# Altium PCB ASCII_LimeSDR-USB_1v4s.PcbDoc (part 10 of 10)
Units mm, origin at the board's own origin, x right, y up, seen from the top; angles counter-clockwise.
Board outline 100 x 60 mm, 12 copper layers (Top, L2, L3, L4, L5, L6, L7, L8, L9, L10, L11, Bottom), stack 1.58 mm thick; 858 components, 627 nets, 4058 pads, 2110 vias.
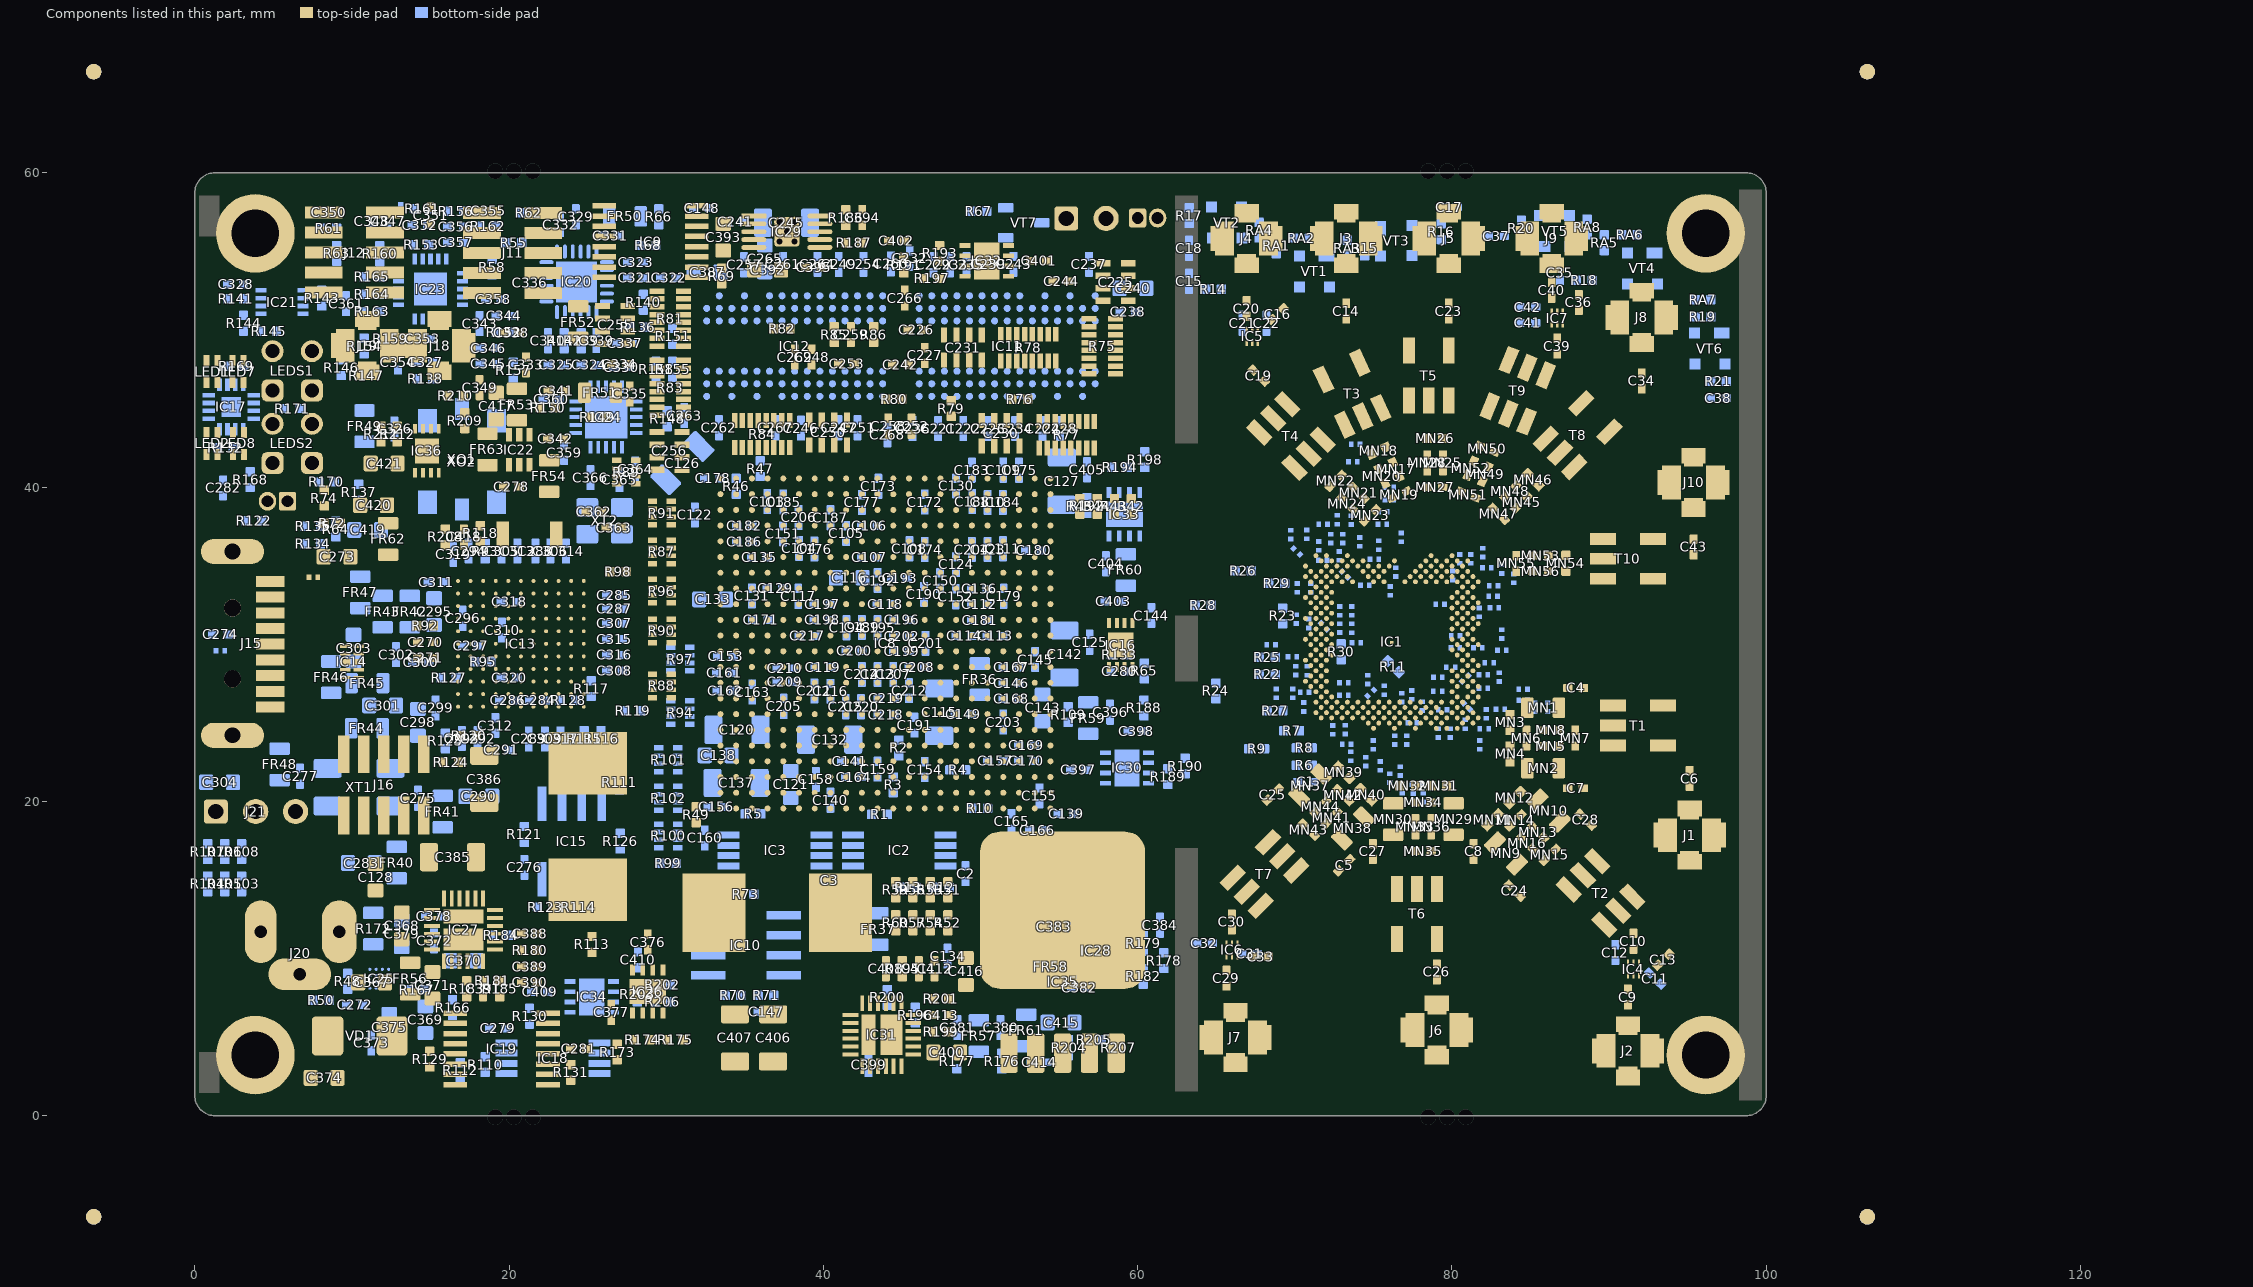
[diagram p18: the components of this part, seen from the top]

## Silkscreen, mask and mechanical layers (free items; w line width, h text height) (continued)
Mechanical1:
  drawing of 2388 lines, arcs and shapes, not listed
  text "LimeSDR-USB v1.4s" at 163.318,127.747 h2.6
  text "CONTROLLED IMPEDANCE" at 153.275,122.725 h3
  text "GENERAL PARAMETERS:" at 130.225,117.025 h1.5
  text "Top layer copper foil thickness: 17.5 um / Dielectric thickness from Top to L2 = 173um (6.8 mils) / Dielectric between Top layer and 2nd layer relative permittivity (Er): 4.2 /  / Bottom layer copper foil thickness: 17.5 um / Dielectric thickness from L11 to Bottom = 173um (6.8 mils) / Dielectric between L11 layer and Bottom layer relative permittivity (Er): 4.2 / Ground plane distance to trace on Bottom layer: 0.1mm" at 134.675,90.3 h1.5
  text "CALCULATIONS:" at 130.35,89.05 h1.5
  text "Board Cutout" at 41.525,78.4 h1.5
  text "RF (Top)" at 114.5,71.6 h2
  text "50 Ohm microstrip (Top layer, no GND) characteristics: /  Top layer copper foil thickness: 17.5 um /  Track width = 0.325 mm (12.795 mils) /  Dielectric thickness from Top to L2 = 173um (6.8 mils) /  Dielectric between Top layer and 2nd layer relative permittivity (Er): 4.2 /          /  Approximate microstrip line impedance = 49.99 Ohms (+/- 10% tolerance)" at 133.85,62.9 h1.5
  text "RF (Top)" at 113.5,45.1 h2
  text "100 Ohm coupled microstrip line (Top layer) characteristics: /  Top layer copper foil thickness: 17.5 um /  Track width = 0.2 mm (6.8 mils) /  Track spacing = 0.14 mm (5.51 mils) /  Track width/spacing ratio = 1.428 /  Dielectric thickness from top to L2 = 173um (6.8 mils) /  Dielectric between Top layer and 2nd layer relative permittivity (Er): 4.2 /          /  Approximate coupled microstrip line impedance = 100.752 Ohms (+/- 10% tolerance)" at 134.5,34.175 h1.5
  text "RF (Bottom)" at 111.575,20.975 h2
  text "Vendor Logo (bottom)" at 52.325,15.325 h0.7
  text "50 Ohm coplanar waveguide with GND (Bottom layer) characteristics: /  Bottom layer copper foil thickness: 17.5 um /  Track width = 0.254 mm (10 mils) /  Distance to GND: 0.1 mm (3.937 mils) /  Dielectric thickness from Bottom to L11 = 173um (6.8 mils) /  Dielectric between Bottom layer and L11 relative permittivity (Er): 4.2 /          /  Approximate microstrip line impedance = 49.99 Ohms (+/- 10% tolerance)" at 134.65,7.075 h1.5
  text "RoHS and PCB number (bottom)" at 28.475,3.45 h0.7
  text "USB3.0 (Top)" at 110.75,-4.575 h2
  text "TH via" at 34.75,-12.275 h1.52
  text "GERBER LAYER NAMES:" at -91.65,-13.675 h1.52
  text "STACKUP:" at -38.6,-14 h3
  text "Top-Bot" at 34.2,-15.35 h1.52
  text "GTP" at -90.55,-17.475 h1.52
  text "Top solder paste" at -85.45,-17.575 h1
  text "90 Ohm coupled microstrip line (Top layer, without GND) characteristics: /  Top layer copper foil thickness: 17.5 um /  Track width = 0.2 mm (6.8 mils) /  Track spacing = 0.1 mm (3.93 mils) /  Track width/spacing ratio = 2 /  Dielectric thickness from Top to 2nd layer = 173um (6.8 mils) /  Dielectric between Top layer and 2nd layer relative permittivity (Er): 4.2 /          /  Approximate coupled microstrip line impedance = 90.5 Ohms (+/- 10% tolerance)" at 133.825,-18.475 h1.5
  text "GTO" at -90.55,-20.475 h1.52
  text "Silkscreen" at -85.55,-20.775 h1
  text "ELECTRICAL LAYERS:" at 48.75,-21.775 h1.52
  text "GTS" at -90.55,-22.975 h1.52
  text "Soldermask (halogen free)" at -85.55,-24.275 h1
  text "Top: RF/GND" at 49.425,-25.25 h1.52
  text "GTL" at -90.55,-25.475 h1.52
  text "0.5oz+plating" at -85.55,-25.975 h1
  text "6.8mil" at -59.9,-28.15 h1
  text "PP" at -63.25,-28.275 h1
  text "G1" at -90.55,-29.975 h1.52
  text "0.1oz" at -85.55,-30.175 h1
  text "L2: GND" at 49.45,-30.275 h1.52
  text "CORE" at -63.25,-32.775 h1
  text "USB3.0 (Bottom)" at 104.45,-32.925 h2
  text "G2" at -90.55,-34.475 h1.52
  text "0.1oz" at -85.55,-34.675 h1
  text "L3: PWR/Signal/GND" at 49.45,-34.775 h1.52
  text "PP" at -63.25,-37.275 h1
  text "G3" at -90.55,-38.975 h1.52
  text "0.1oz" at -85.55,-39.175 h1
  text "L4: Signal/PWR/GND" at 49.45,-39.275 h1.52
  text "CORE" at -63.25,-41.775 h1
  text "G4" at -90.55,-43.475 h1.52
  text "0.1oz" at -85.55,-43.675 h1
  text "L5: PWR/GND" at 49.55,-43.775 h1.52
  text "PP" at -63.25,-46.275 h1
  text "90 Ohm coupled microstrip line (Bottom layer) characteristics: /  Bottom layer copper foil thickness: 17.5 um /  Track width = 0.2 mm (6.8 mils) /  Track spacing = 0.1 mm (3.93 mils) /  Track width/spacing ratio = 2 /  Dielectric thickness from L11 to Bottom layer = 173um (6.8 mils) /  Dielectric between L11 layer and Bottom layer relative permittivity (Er): 4.2 /          /  Approximate coupled microstrip line impedance = 90.5 Ohms (+/- 10% tolerance)" at 133.15,-46.825 h1.5
  text "G5" at -90.55,-47.975 h1.52
  text "L6: Signal/GND" at 49.45,-48.125 h1.52
  text "0.1oz" at -85.55,-48.175 h1
  text "CORE" at -63.25,-50.775 h1
  text "G6" at -90.55,-52.475 h1.52
  text "L7: GND" at 49.55,-52.625 h1.52
  text "0.1oz" at -85.55,-52.675 h1
  text "VERY IMPORTANT NOTES:" at 135.875,-54.75 h3
  text "PP" at -63.25,-55.275 h1
  text "G7" at -90.55,-56.975 h1.52
  text "L8: Signal" at 49.375,-57.1 h1.52
  text "0.1oz" at -85.55,-57.175 h1
  text "CORE" at -63.25,-59.775 h1
  text "G8" at -90.55,-61.475 h1.52
  text "0.1oz" at -85.55,-61.675 h1
  text "L9: Signal" at 49.475,-61.675 h1.52
  text "PP" at -63.25,-64.275 h1
  text "G9" at -90.55,-65.975 h1.52
  text "0.1oz" at -85.55,-66.175 h1
  text "L10: CLK/Signal" at 49.55,-66.325 h1.52
  text "CORE" at -63.25,-68.775 h1
  text "G10" at -90.55,-70.475 h1.52
  text "0.1oz" at -85.55,-70.675 h1
  text "L11: GND" at 49.5,-71 h1.52
  text "6.8mil" at -59.725,-73.225 h1
  text "PP" at -63.25,-73.275 h1
  text "GBL" at -90.55,-74.975 h1.52
  text "Bottom: Signal/PWR/GND" at 49.5,-75 h1.52
  text "0.5oz+plating" at -85.55,-75.475 h1
  text "GBS" at -90.55,-77.475 h1.52
  text "Soldermask (halogen free)" at -85.55,-78.675 h1
  text "ADDITIONAL LAYERS:" at 51.75,-79.275 h1.52
  text "GBO" at -90.55,-79.975 h1.52
  text "Silkscreen" at -85.55,-80.175 h1
  text "GBP" at -90.55,-82.975 h1.52
  text "Bottom solder paste" at -85.55,-83.175 h1
  text "Mechanical 1: Board cutout" at 54.45,-83.475 h1.52
  text "Via type #1" at -8.5,-85.975 h1.52
  text "ASM TOP: Assembly top" at 54.45,-86.475 h1.52
  text "0.2mm drill / 0.4mm ring" at 32.75,-88.275 h1.2
  text "ASM BOT: Assembly bottom" at 54.45,-89.475 h1.52
  text "Total PCB thicknes: 1.6mm +/- 10%" at -66.925,-89.65 h1.52
  text "Mechanical 13: Component 3D body" at 54.45,-92.475 h1.52
  text "0.2mm drill / 0.31mm ring" at 32.75,-94.275 h1.2
  text "Via type #2 (In pad, resin filled with metal cap)" at -9,-94.65 h1.52
  text "1) 0.31mm ring and 0.2mm drill via-in-pads (IC1) must be resin filled with metal cap / 2) Solder mask : DARK BLUE, both sides, halogen free, glossy finish (NOT matte) / 3) Silkscreen : white epoxy ink, halogen free, both sides. No silkscreen on pads. / 4) DRCs must be run on Gerber files before building boards / 5) Hole diameters are final manufactured diameters INCLUDING HOLE METALIZATION. / 6) Minimum track spacing: 0.1 mm /    Minimum track width: 0.1 mm / 7) There are plated and non-plated holes on the PCB / 8) Material: /    IT-180A /    PCB vendor to silkscreen UL and RoHS compliance marks, vendor logo and date code on bottom where shown /    Copper weight:  External layers 0.5 oz+plating /                    Internal layers 1 oz / 9) Electrical test : 100 % netlist. / 10) Boards are to be individually bagged." at 109.2,-98.575 h1.5
ASM BOT:
  drawing of 903 lines, arcs and shapes, not listed
  text "IC20" at 25.275,66.575 h1
  text "IC23" at 16.5,66.1 h1
  text "Assembly bottom" at 55.725,60.8 h1.25
  text "or" at 17.975,43.375 h0.55
  text "C120" at -22.3,1.75 h1
ASM TOP:
  circle w0.4: c-17.6,54.225 r0.19
  circle w0.4: c-17.6,53 r0.19
  circle w0.4: c9.4,29.825 r0.025
  lines w0.1: -18.05,51.5 -17.625,51.925 ; -17.625,48.025 -17.625,51.925 ; -17.2,51.5 -17.625,51.925 ; 8.975,7.25 12.625,7.25 13.7,8.325 13.7,8.725 ; 14.775,45.3 16.275,45.575 ; 17.425,40.825 17.8,42.008 18.7,42.475 ; 18.125,46.325 18.35,47.725 ; 18.85,50.475 18.85,45.475 19.175,45.15 ; 20.15,49.825 21.15,50.6 ; 21.075,47.775 21.7,48.05 ; 22.45,45.05 23.5,44.5 ; 22.95,43.075 24.15,42.725 ; 23,46.125 23.5,46.825 ; 25.625,44.45 26.025,43.975 ; 25.975,48 27.025,47.825 ; 44.3,53.65 44.65,53.65 45.125,54.125 ; 46.9,53.275 47.475,52.575 ; -18.2,52.575 -18.2,54.8 -17,54.8 -17,52.575 -17.325,52.25 -17.875,52.25 -18.2,52.575
  lines w0.15: -11.9,42.4 -0.05,42.4 ; -11.8,43.025 -0.075,47.525 ; -5.95,38.825 3.95,38.825 ; -1.6,40.075 1.125,41.425 ; 1.4,48.65 1.5,50.05 ; 1.55,23.575 -10.1,31.775 1.625,36.275 ; 2.375,40.15 2.775,41.4 ; 2.725,48.7 2.825,49.925 ; 5.05,48.15 6.125,50.05 7.575,48.25 ; 5.775,42.15 8.825,42.55 7.375,42.725 ; 14.275,1.775 14.95,3.6 ; 15.125,8.3 15.125,9.925 ; 17.8,35.475 18.175,37.05 ; 40.675,58.35 41.425,57.15 ; 41.925,55.55 42.25,55.025 ; 42.275,58.5 42.475,57.15 ; 43.125,50.875 43.2,49.7 ; 43.35,45.725 44.5,45.6 ; 43.85,8.125 43.225,8.125 43.225,16 43.775,16 49.175,16 49.175,11.075 48.125,11.075 48.125,8.2 47.8,8.2 ; 44.575,51.9 45.175,52.025 ; 45.9,50 46.525,50.625 ; 46.125,16 46.125,18.675 ; 46.45,48.375 46.7,47.2 ; 49.2,9.35 50.3,9.35 ; 89.025,27.9 93.775,29.6 ; 43.375,18.675 43.375,26.625 44.95,26.625 48.8,26.625 48.8,18.675 43.375,18.675
  lines w0.3: 1.275,60 ccw(c1.275,58.73) 0.005,58.73 0.005,1.27 ccw(c1.275,1.27) 1.275,0 98.735,0 ccw(c98.735,1.27) 100.005,1.27 100.005,58.73 ccw(c98.735,58.73) 98.735,60
  lines w0.309: 1.275,60 98.735,60
  text "Assembly top" at 41.175,61.1 h1.25
  text "ASSEMBLY NOTE: / Orientation for throughole LEDs (LED1, LED2, LED7, LED8). / More info in part datasheet" at -24.25,55.2 h0.55
  text "Green Anode" at -24.55,53.95 h0.55
  text "Green Cathode" at -25.925,52.725 h0.55
  text "ASSEMBLY NOTE: / LEDS1 and LEDS2 - for both parts mount throughole LEDs (LED1, LED2, LED7, LED8) in plastic LED holder (LEDS1 and LEDS2). Two LEDs in one holder" at -25.875,40.525 h0.55
  text "ASSEMBLY NOTE: / J17 jumper must be shorted out" at -14.2,36.8 h0.55
  text "ASSEMBLY NOTE: / J15 mechanical mechanical holes must be soldered for mechanical durability." at -25.5,30.675 h0.55
DrillDrawing:
  circle w0.2: c-93.638,101.806 r0.556
  circle w0.2: c-93.638,91.806 r0.333
  circle w0.2: c-93.638,91.806 r0.556
  lines w0.2: -94.194,89.861 -93.083,89.861 -93.638,88.75 -94.194,89.861 ; -94.194,93.75 -93.638,94.028 -93.083,93.75 -93.36,94.306 -93.083,94.861 -93.638,94.583 -94.194,94.861 -93.916,94.306 -94.194,93.75 ; -94.194,96.806 -93.638,96.25 -93.083,96.806 -93.638,97.361 -94.194,96.806 ; -94.194,98.75 -93.083,98.75 -93.083,99.861 -94.194,99.861 -94.194,98.75 ; -94.194,104.028 -93.916,104.028 -93.638,103.75 -93.36,104.028 -93.083,104.028 -93.36,104.306 -93.083,104.583 -93.36,104.583 -93.638,104.861 -93.916,104.583 -94.194,104.583 -93.916,104.306 -94.194,104.028 ; -94.194,106.528 -93.916,106.528 -93.638,106.25 -93.36,106.528 -93.083,106.528 -93.36,106.806 -93.083,107.083 -93.36,107.083 -93.638,107.361 -93.916,107.083 -94.194,107.083 -93.916,106.806 -94.194,106.528 ; -94.194,109.028 -93.916,109.028 -93.916,108.75 -93.36,108.75 -93.36,109.028 -93.083,109.028 -93.083,109.583 -93.36,109.583 -93.36,109.861 -93.916,109.861 -93.916,109.583 -94.194,109.583 -94.194,109.028 ; -93.971,104.139 -93.805,104.139 -93.638,103.972 -93.471,104.139 -93.305,104.139 -93.471,104.306 -93.305,104.472 -93.471,104.472 -93.638,104.639 -93.805,104.472 -93.971,104.472 -93.805,104.306 -93.971,104.139
  lines w0.381: -95.201,85.5 129.603,85.5 ; -95.201,110.5 129.603,110.5 ; -85.913,83 -85.913,113 ; -75.016,83 -75.016,113 ; -55.955,83 -55.955,113 ; -47.417,83 -47.417,113 ; -35.08,83 -35.08,113 ; -15.146,83 -15.146,113 ; -5.208,83 -5.208,113 ; 7.328,83 7.328,113 ; 28.389,83 28.389,113 ; 42.725,83 42.725,113 ; 65.058,83 65.058,113 ; 87.392,83 87.392,113 ; 106.12,83 106.12,113 ; -95.201,83 129.603,83 129.603,113 -95.201,113 -95.201,83
  text "Symbol" at -93.701,111.25 h1.2
  text "Count" at -85.163,111.25 h1.2
  text "Hole Size" at -74.266,111.25 h1.2
  text "Plated" at -55.205,111.25 h1.2
  text "Hole Type" at -46.667,111.25 h1.2
  text "Drill Layer Pair" at -34.33,111.25 h1.2
  text "Via/Pad" at -14.396,111.25 h1.2
  text "Pad Shape" at -4.458,111.25 h1.2
  text "Template" at 8.078,111.25 h1.2
  text "Description" at 29.139,111.25 h1.2
  text "Hole Tolerance (+)" at 43.475,111.25 h1.2
  text "Hole Tolerance (-)" at 65.808,111.25 h1.2
  text "Hole Length" at 88.142,111.25 h1.2
  text "Routed Path Length" at 106.87,111.25 h1.2
  text "2" at -85.163,108.75 h1
  text "1,000mm (39,37mil)" at -74.266,108.75 h1
  text "PTH" at -55.205,108.75 h1
  text "Slot" at -46.667,108.75 h1
  text "Top - Bottom" at -34.33,108.75 h1
  text "Pad" at -14.396,108.75 h1
  text "Rounded" at -4.458,108.75 h1
  text "r160_400h100_250r100" at 8.078,108.75 h1
  text "2,500mm (98,43mil)" at 88.142,108.75 h1
  text "1,500mm (59,06mil)" at 106.87,108.75 h1
  text "2" at -85.163,106.25 h1
  text "1,100mm (43,31mil)" at -74.266,106.25 h1
  text "NPTH" at -55.205,106.25 h1
  text "Round" at -46.667,106.25 h1
  text "Top - Bottom" at -34.33,106.25 h1
  text "Pad" at -14.396,106.25 h1
  text "Rounded" at -4.458,106.25 h1
  text "c110hn110m0mx0" at 8.078,106.25 h1
  text "-" at 88.142,106.25 h1
  text "-" at 106.87,106.25 h1
  text "3" at -85.163,103.75 h1
  text "0,800mm (31,50mil)" at -74.266,103.75 h1
  text "PTH" at -55.205,103.75 h1
  text "Slot" at -46.667,103.75 h1
  text "Top - Bottom" at -34.33,103.75 h1
  text "Pad" at -14.396,103.75 h1
  text "Rounded" at -4.458,103.75 h1
  text "(Mixed)" at 8.078,103.75 h1
  text "2,000mm (78,74mil)" at 88.142,103.75 h1
  text "1,200mm (47,24mil)" at 106.87,103.75 h1
  text "4" at -85.163,101.25 h1
  text "0,750mm (29,53mil)" at -74.266,101.25 h1
  text "PTH" at -55.205,101.25 h1
  text "Round" at -46.667,101.25 h1
  text "Top - Bottom" at -34.33,101.25 h1
  text "Pad" at -14.396,101.25 h1
  text "(Mixed)" at -4.458,101.25 h1
  text "(Mixed)" at 8.078,101.25 h1
  text "-" at 88.142,101.25 h1
  text "-" at 106.87,101.25 h1
  text "4" at -85.163,98.75 h1
  text "3,000mm (118,11mil)" at -74.266,98.75 h1
  text "PTH" at -55.205,98.75 h1
  text "Round" at -46.667,98.75 h1
  text "Top - Bottom" at -34.33,98.75 h1
  text "Pad" at -14.396,98.75 h1
  text "Rounded" at -4.458,98.75 h1
  text "c500h300" at 8.078,98.75 h1
  text "-" at 88.142,98.75 h1
  text "-" at 106.87,98.75 h1
  text "5" at -85.163,96.25 h1
  text "0,381mm (15,00mil)" at -74.266,96.25 h1
  text "PTH" at -55.205,96.25 h1
  text "Round" at -46.667,96.25 h1
  text "Top - Bottom" at -34.33,96.25 h1
  text "Pad" at -14.396,96.25 h1
  text "Rounded" at -4.458,96.25 h1
  text "c66h38mx0" at 8.078,96.25 h1
  text "-" at 88.142,96.25 h1
  text "-" at 106.87,96.25 h1
  text "5" at -85.163,93.75 h1
  text "0,965mm (38,00mil)" at -74.266,93.75 h1
  text "PTH" at -55.205,93.75 h1
  text "Round" at -46.667,93.75 h1
  text "Top - Bottom" at -34.33,93.75 h1
  text "Pad" at -14.396,93.75 h1
  text "(Mixed)" at -4.458,93.75 h1
  text "(Mixed)" at 8.078,93.75 h1
  text "-" at 88.142,93.75 h1
  text "-" at 106.87,93.75 h1
  text "8" at -85.163,91.25 h1
  text "0,900mm (35,43mil)" at -74.266,91.25 h1
  text "PTH" at -55.205,91.25 h1
  text "Round" at -46.667,91.25 h1
  text "Top - Bottom" at -34.33,91.25 h1
  text "Pad" at -14.396,91.25 h1
  text "(Mixed)" at -4.458,91.25 h1
  text "(Mixed)" at 8.078,91.25 h1
  text "-" at 88.142,91.25 h1
  text "-" at 106.87,91.25 h1
  text "12" at -85.163,88.75 h1
  text "1,000mm (39,37mil)" at -74.266,88.75 h1
  text "NPTH" at -55.205,88.75 h1
  text "Round" at -46.667,88.75 h1
  text "Top - Bottom" at -34.33,88.75 h1
  text "Pad" at -14.396,88.75 h1
  text "Rounded" at -4.458,88.75 h1
  text "c100hn100m0mx0" at 8.078,88.75 h1
  text "-" at 88.142,88.75 h1
  text "-" at 106.87,88.75 h1
  text "2110" at -85.163,86.25 h1
  text "0,200mm (7,87mil)" at -74.266,86.25 h1
  text "PTH" at -55.205,86.25 h1
  text "Round" at -46.667,86.25 h1
  text "Top - Bottom" at -34.33,86.25 h1
  text "Via" at -14.396,86.25 h1
  text "Rounded" at -4.458,86.25 h1
  text "(Mixed)" at 8.078,86.25 h1
  text "-" at 88.142,86.25 h1
  text "-" at 106.87,86.25 h1
  text "A" at -94.208,86.05 h1.11
  text "2155 Total" at -85.163,83.75 h1
  text "Slot definitions :" at -93.701,81.267 h1
  text "Routed Path Length" at -76.396,81.267 h1
  text "= Calculated from tool start centre position to tool end centre position." at -57.925,81.267 h1
  text "Hole Length" at -76.396,79.534 h1
  text "= Routed Path Length + Tool Size = Slot length as defined in the PCB layout" at -64.756,79.534 h1

## Text inside footprints (layer, text, board x,y; h text height)
J1: ASM TOP "in" at 94.425,19.15 h0.55
J2: ASM TOP "in" at 90.5,5.425 h0.55
J3: ASM TOP "in" at 72.7,54 h0.55
J4: ASM TOP "in" at 66.175,54.225 h0.55
J5: ASM TOP "in" at 79.1,53.975 h0.55
J6: ASM TOP "in" at 78.34,6.75 h0.55
J7: ASM TOP "in" at 65.525,6.275 h0.55
J8: ASM TOP "in" at 91.675,49.025 h0.55
J9: ASM TOP "in" at 85.55,53.8 h0.55
J10: ASM TOP "in" at 94.95,38.775 h0.55
J11: TopOverlay "1" at 16.1,57.5 h0.6; TopOverlay "9" at 16.075,52.2 h0.6; TopOverlay "2" at 24.025,57.575 h0.6; TopOverlay "10" at 23.975,53.3 h0.6
J12: TopOverlay "1" at 6.15,57.525 h0.6; TopOverlay "9" at 7.025,50.8 h0.6; TopOverlay "2" at 13.825,57.5 h0.6; TopOverlay "10" at 13.85,51.675 h0.6
J16: TopOverlay "1" at 9.75,17 h0.65 r90; TopOverlay "9" at 16.325,18.15 h0.65 r90; TopOverlay "2" at 9.85,24.975 h0.65 r90; TopOverlay "10" at 14.95,24.975 h0.65 r90
J18: ASM TOP "in" at 14.8,47.175 h0.55
J19: ASM TOP "in" at 10.325,47.075 h0.55
L1: ASM TOP "no polarity" at 22.35,14.175 h0.55
L2: ASM TOP "no polarity" at 34.575,14.5 h0.55
LED1: ASM TOP "A" at 0.825,48.475 h0.55 r270; ASM TOP "C" at 0.825,46.675 h0.55 r270
LED2: ASM TOP "A" at 0.825,43.9 h0.55 r270; ASM TOP "C" at 0.825,42.1 h0.55 r270
LED7: ASM TOP "C" at 2.475,46.675 h0.55 r270; ASM TOP "A" at 2.475,48.475 h0.55 r270
LED8: ASM TOP "C" at 2.5,42.1 h0.55 r270; ASM TOP "A" at 2.5,43.9 h0.55 r270
LEDS1: ASM TOP "A" at 7.7,48.4 h0.55 r90; ASM TOP "C" at 7.8,46 h0.55 r90; ASM TOP "A" at 5.2,48.4 h0.55 r90; ASM TOP "C" at 5.3,45.9 h0.55 r90; ASM TOP "PCB edge" at -0.375,45.575 h0.5 r90
LEDS2: ASM TOP "PCB edge" at -0.35,40.875 h0.5 r90; ASM TOP "C" at 5.3,41.275 h0.55 r90; ASM TOP "A" at 5.2,43.775 h0.55 r90; ASM TOP "C" at 7.8,41.375 h0.55 r90; ASM TOP "A" at 7.7,43.775 h0.55 r90
VD1: ASM TOP "C" at 8.3,4.575 h0.55; ASM TOP "A" at 12.2,4.575 h0.55